# Altium PCB Control.PcbDoc (continued)
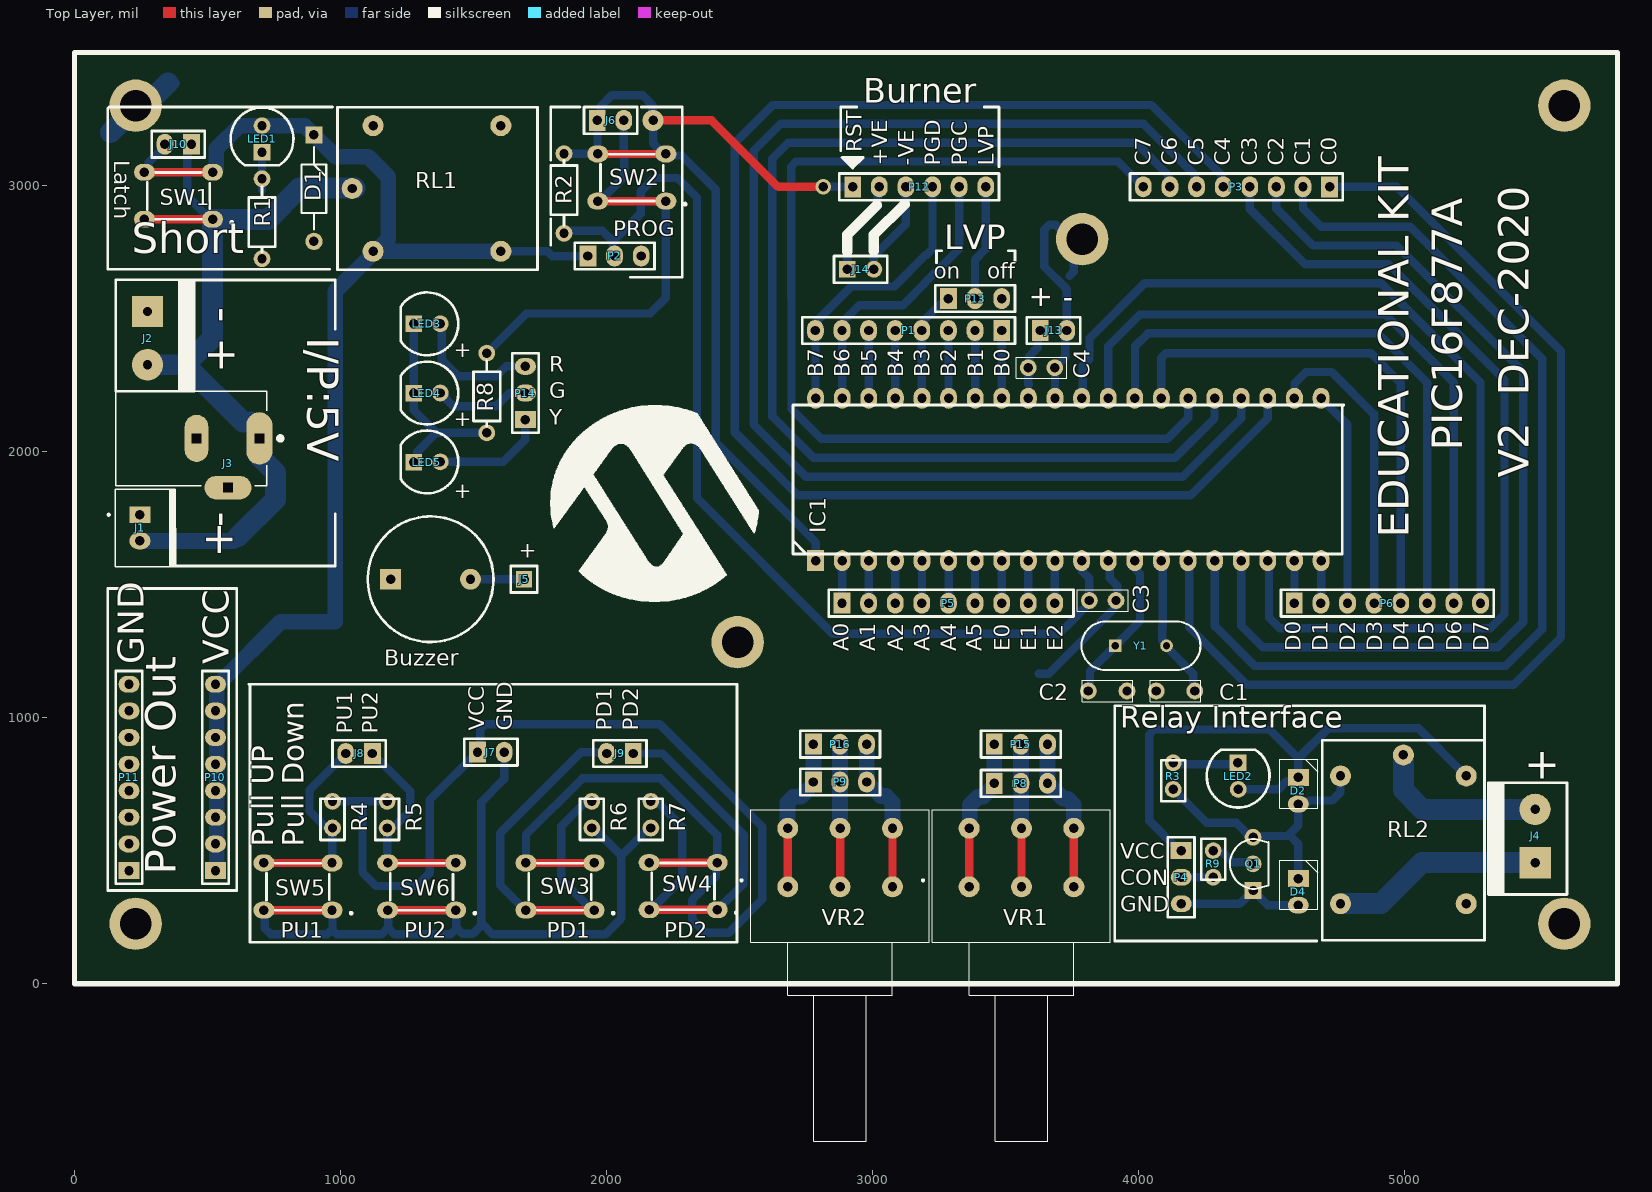
[diagram p0: Top Layer view]
## Part data (continued)
P1 P3 P6 P10 P11: library part Terminal_Block_8Pos, "Male Header, Pitch 2.54 mm, 1 x 40 Position, Height 8.636 mm, Tail Length 3.05 mm, -55 to 105 degC, RoHS, Bulk", Case/Package=2340-6111TG, Colour=Black, Current Rating=3A, Manufacturer=3M, Max Operating Temperature=105°C, Min Operating Temperature=-55°C, Package Description="Male Header, Pitch 2.54 mm, 1 x 40 Position, Height 8.636 mm, Tail Length 3.05 mm", Package Quantity=200, Connector Type=Header, Contact Finish=Gold, Contact Material=Copper, Contact Plating=Gold, Datasheet URL=https://datasheet.ciiva.com/5161/ts0766-242217-5161112.pdf, Datasheet Version=Aug-08, Gender=Male, Lead Pitch=0.1inch, Manufacturer URL=http://www.3m.com/, Max Current Rating=3A, Mounting Technology=TH, Package Reference=2340-6111TG, Packaging=Bulk, Pins=40, RoHS Compliant=True, Rows=1
P2 P4 P8 P9 P13 P14 P15 P16: library part Terminal_Block_3Pos, "Male Header, Pitch 2.54 mm, 1 x 40 Position, Height 8.636 mm, Tail Length 3.05 mm, -55 to 105 degC, RoHS, Bulk", Case/Package=2340-6111TG, Colour=Black, Current Rating=3A, Manufacturer=3M, Max Operating Temperature=105°C, Min Operating Temperature=-55°C, Package Description="Male Header, Pitch 2.54 mm, 1 x 40 Position, Height 8.636 mm, Tail Length 3.05 mm", Package Quantity=200, Connector Type=Header, Contact Finish=Gold, Contact Material=Copper, Contact Plating=Gold, Datasheet URL=https://datasheet.ciiva.com/5161/ts0766-242217-5161112.pdf, Datasheet Version=Aug-08, Gender=Male, Lead Pitch=0.1inch, Manufacturer URL=http://www.3m.com/, Max Current Rating=3A, Mounting Technology=TH, Package Reference=2340-6111TG, Packaging=Bulk, Pins=40, RoHS Compliant=True, Rows=1
P5: library part Terminal_Block_9Pos, "Male Header, Pitch 2.54 mm, 1 x 40 Position, Height 8.636 mm, Tail Length 3.05 mm, -55 to 105 degC, RoHS, Bulk", Case/Package=2340-6111TG, Colour=Black, Current Rating=3A, Manufacturer=3M, Max Operating Temperature=105°C, Min Operating Temperature=-55°C, Package Description="Male Header, Pitch 2.54 mm, 1 x 40 Position, Height 8.636 mm, Tail Length 3.05 mm", Package Quantity=200, Connector Type=Header, Contact Finish=Gold, Contact Material=Copper, Contact Plating=Gold, Datasheet URL=https://datasheet.ciiva.com/5161/ts0766-242217-5161112.pdf, Datasheet Version=Aug-08, Gender=Male, Lead Pitch=0.1inch, Manufacturer URL=http://www.3m.com/, Max Current Rating=3A, Mounting Technology=TH, Package Reference=2340-6111TG, Packaging=Bulk, Pins=40, RoHS Compliant=True, Rows=1
P12: library part Terminal_Block_6Pos, "Male Header, Pitch 2.54 mm, 1 x 40 Position, Height 8.636 mm, Tail Length 3.05 mm, -55 to 105 degC, RoHS, Bulk", Case/Package=2340-6111TG, Colour=Black, Current Rating=3A, Manufacturer=3M, Max Operating Temperature=105°C, Min Operating Temperature=-55°C, Package Description="Male Header, Pitch 2.54 mm, 1 x 40 Position, Height 8.636 mm, Tail Length 3.05 mm", Package Quantity=200, Connector Type=Header, Contact Finish=Gold, Contact Material=Copper, Contact Plating=Gold, Datasheet URL=https://datasheet.ciiva.com/5161/ts0766-242217-5161112.pdf, Datasheet Version=Aug-08, Gender=Male, Lead Pitch=0.1inch, Manufacturer URL=http://www.3m.com/, Max Current Rating=3A, Mounting Technology=TH, Package Reference=2340-6111TG, Packaging=Bulk, Pins=40, RoHS Compliant=True, Rows=1
Q1: library part CMP-013-00009-2, "NPN General-Purpose Amplifier, 40 V, -55 to 150 degC, 3-Pin TO-92, RoHS, Bulk", Case/Package=TO-226-3, Frequency=300MHz, Manufacturer=Fairchild, Max Operating Temperature=150°C, Min Operating Temperature=-55°C, Package Description="3-Pin Transistor Outline Package, Body Dia 4.79 mm, Pitch 1.27 mm", Package Quantity=1000, Package Reference=TO-92, Power=625mW, Datasheet URL=https://www.fairchildsemi.com/datasheets/PN/PN2222A.pdf, Datasheet Version="Rev. 1.1.0, 07/2014", Elements=1, hFE Min=100, Mounting Technology=TH, Packaging=Bulk, Pins=3, RoHS Compliant=True, Vce Max=1V
R1 R2 R3 R4 R5 R6 R7 R8 R9: library part Resistors_Single, "Resistors", Case/Package=Axial, Manufacturer=Yageo, Manufacturer Part Number=CFR-25JB-52-100K, Max Operating Temperature=155°C, Max Power Dissipation=250mW, Min Operating Temperature=-55°C, Package Quantity=200, Resistance=100kR, Resistor Type="Carbon Film", Supplier Part Number 1=100KQBK-ND, Temperature Coefficient=-700ppm/°C, Tolerance=5%, Category="Through-Hole Resistors", ComponentLink1Description=http://www.yageo.com/NewPortal/yageodocoutput?fileName=/pdf/throughhole/Yageo_LR_CFR_2013.pdf&src-supplier=Digi-Key, ComponentLink1URL=http://www.yageo.com/NewPortal/yageodocoutput?fileName=/pdf/throughhole/Yageo_LR_CFR_2013.pdf&src-supplier=Digi-Key, ComponentLink2Description=http://www.yageo.com/documents/recent/General%20Type_CFR.pdf?src-supplier=Future+Electronics, ComponentLink2URL=http://www.yageo.com/documents/recent/General%20Type_CFR.pdf?src-supplier=Future+Electronics, Lead Free="Lead Free", Length=0.248inch, Number of Terminations=2, Packaging=Bulk, Power Rating=250mW, Pricing 1="1=0.10000, 25=0.04640, 50=0.03600, 100=0.02580, 250=0.02008, 500=0.01596, 750=0.01365, 1000=0.01133, 2000=0.00979 (USD)", RoHS=Yes, Stock 1=105911, Supplier 1=Digi-Key
RL1 RL2: library part Relay_SPDT, "Relay SPDT", Coil Voltage (DC)=5V, Contact Current Rating=15A, Manufacturer="TE Connectivity P&B", Manufacturer Part Number=1-1721150-0, Max Operating Temperature=85°C, Supplier Part Number 1=PB2032-ND, Voltage Rating (AC)=125V, Category="Signal Relays", ComponentLink1Description=https://datasheet.ciiva.com/14189/eng-cd-1721150-c-14189465.pdf?src-supplier=Avnet, ComponentLink1URL=https://datasheet.ciiva.com/14189/eng-cd-1721150-c-14189465.pdf?src-supplier=Avnet, ComponentLink2Description=https://datasheet.ciiva.com/48542/eng-cd-1721150-c-48542490.pdf?src-supplier=Onlinecomponents.com, ComponentLink2URL=https://datasheet.ciiva.com/48542/eng-cd-1721150-c-48542490.pdf?src-supplier=Onlinecomponents.com, Depth=15.5mm, ELV=Compliant, Height=15.8mm, Lead Free="Lead Free", Length=19mm, Mount="Through Hole", Number of Pins=5, Packaging=Rail/Tube, Pricing 1="1=1.30000, 10=1.21500, 25=1.08000, 50=1.02600, 100=0.97200, 250=0.86400, 500=0.81000, 1000=0.75600, 5000=0.72900 (USD)", RoHS=Yes, Stock 1=4183, Supplier 1=Digi-Key, Termination=PCB, Throw Configuration=SPDT, Weight=9.5g, Width=15.5mm
SW1 SW2 SW3 SW4 SW5 SW6: library part Switches_2Pos, "Switches", Color=Black, Contact Current Rating=50mA, Contact Resistance=100mR, Manufacturer=E-Switch, Manufacturer Part Number=TL1105LF160Q, Max Operating Temperature=70°C, Max Voltage Rating (DC)=50V, Min Operating Temperature=-20°C, Operating Force=160gf, Package Quantity=750, Supplier Part Number 1=EG2505-ND, Voltage Rating (DC)=12V, Actuator Length=13.4mm, Actuator Material=Nylon,Polyamide, Actuator Type=Standard, Category="Tactile Switches", ComponentLink1Description=https://datasheet.ciiva.com/16156/p010009-16156269.pdf?src-supplier=Onlinecomponents.com, ComponentLink1URL=https://datasheet.ciiva.com/16156/p010009-16156269.pdf?src-supplier=Onlinecomponents.com, ComponentLink2Description=https://datasheet.ciiva.com/2900/tl1105-2900888.pdf?src-supplier=Digi-Key, ComponentLink2URL=https://datasheet.ciiva.com/2900/tl1105-2900888.pdf?src-supplier=Digi-Key, Contact Material=Silver,Bronze, Contact Plating=Silver, Current Rating=50mA, Electrical Life=100000Cycles, Housing Material=Nylon, Illumination Type=Non-Illuminated, Lead Free="Lead Free", Mechanical Life=100000Cycles, Mount="Through Hole", Orientation=Straight, Packaging=Bulk, Pricing 1="1=0.29000, 10=0.27800, 25=0.26400, 100=0.23900, 250=0.21792, 500=0.20256, 1000=0.17280, 2500=0.16800, 5000=0.15840 (USD)", RoHS=Yes, Stock 1=17577, Supplier 1=Digi-Key, Switch Function=Off-Mom, Switch Travel=0.25mm, Termination="PC Pin", Throw Configuration=SPST, Width=6mm
VR1 VR2: library part VariableResistors, "Variable Resistors", Manufacturer=Bourns, Manufacturer Part Number=3296W-1-502RLF, Max Operating Temperature=125°C, Max Power Dissipation=500mW, Min Operating Temperature=-55°C, Package Quantity=1000, Resistance=5kR, Resistor Type=Cermet, Supplier Part Number 1=3296W-1-502RLFCT-ND, Temperature Coefficient=100ppm/°C, Tolerance=10%, Category="Variable Resistors and Potentiometers", ComponentLink1Description=https://datasheet.ciiva.com/8088/3296-8088713.pdf?src-supplier=Avnet, ComponentLink1URL=https://datasheet.ciiva.com/8088/3296-8088713.pdf?src-supplier=Avnet, ComponentLink2Description=https://datasheet.ciiva.com/16807/3296-16807737.pdf?src-supplier=Avnet+Europe, ComponentLink2URL=https://datasheet.ciiva.com/16807/3296-16807737.pdf?src-supplier=Avnet+Europe, ComponentLink3Description=https://datasheet.ciiva.com/2162/3296-2162778.pdf?src-supplier=Digi-Key, ComponentLink3URL=https://datasheet.ciiva.com/2162/3296-2162778.pdf?src-supplier=Digi-Key, Depth=4.83mm, Height=0.395inch, Length=9.53mm, Military Standard=Not, Mount="Through Hole", Number of Turns=25, Packaging="Tape and Reel", Power Rating=500mW, Pricing 1="1=3.74000, 10=3.27600, 25=2.92520, 50=2.74960, 100=2.69100, 250=2.57400, 500=2.10600 (USD)", Radiation Hardening=No, RoHS=Yes, Stock 1=1194, Supplier 1=Digi-Key, Taper=Linear, Termination=Pin, Weight=0.03oz, Width=4.83mm
Y1: library part CMP-003-00026-1, "Resistance Weld Thru-Hole Crystal, 12 MHz, +/-30 ppm, 20 pF, -20 to 70 degC, 2-Pin THD, RoHS, Bulk", Case/Package=FOXSLF-2, Frequency=12MHz, Frequency Tolerance=30ppm, Load Capacitance=20pF, Manufacturer="FOX Electronics", Max Operating Temperature=70°C, Min Operating Temperature=-20°C, Package Description="2-Pin Through Hole Device, Body 11.35 x 4.65 mm, Pitch 4.88 mm", Package Quantity=100, Resistance=60Ohm, Tolerance=50ppm, Datasheet URL=http://www.foxonline.com/pdfs/hc49slf.pdf, Datasheet Version=Mar-15, ESR=60, Manufacturer URL=http://www.foxonline.com/, Mounting Technology=TH, Package Reference=FOXSLF-2, Packaging=Bulk, Pins=2, RoHS Compliant=True

## Free pads (board coordinates)
  round 196.85 hole 118.11: 4(230,225) 4(230,3300) 4(2492.52,1283.55) 4(3787.52,2798.55) 4(5600,225) 4(5600,3300)

## Via types
v1: diameter 78.74, hole 35.43, Top Layer to Bottom Layer, 1 vias
v2: diameter 59.05, hole 35.43, Top Layer to Bottom Layer, 1 vias

## Nets (pads, with @x,y where several pads share a name; then routed paths per layer and width w, separated by ;. In a path a pad name is that pad's centre, name@x,y a point inside that pad or via, vN(x,y) a via of type N, cw(c..) or ccw(c..) an arc to the next point about the centre after c; other vN are vias at no path point)
+VE: J7.1 R4.2 R5.2 SW3.2 SW4.2 | length 5095.8
  Top Layer w31.5: SW3.2@1697.05,453.58 SW3.2@1952.95,453.58 ; SW4.2@2160,455 SW4.2@2415.91,455
  Bottom Layer w31.5: R4.2 1072.5,685 ; R5.2 1072.5,685 ; SW3.2@1697.05,453.58 1697.05,559.76 1908.9,771.61 2202.73,771.61 2415.91,558.44 2415.91,455 2411.19,450.28 2411.19,403.48 2372.16,364.45 2321.42,313.71 2321.42,241.96 2372.15,191.22 2459.66,191.22 2585.87,317.43 2585.87,589.13 2200,975 1544.36,975 1525.91,956.55 1525.91,880.91 1335,690 1335,415 1286.97,366.97 1133.3,366.97 1082.56,417.71 1082.56,674.94 1072.5,685
-VE: J7.2 R6.1 R7.1 SW5.1 SW6.1 | length 3468.7
  Top Layer w31.5: SW5.1@712.05,276.42 SW5.1@967.95,276.42 ; SW6.1@1177.05,276.42 SW6.1@1432.95,276.42
  Bottom Layer w31.5: SW5.1@715.93,277.53 715.93,207.69 738.42,185.2 949.97,185.2 968.42,203.65 986.87,185.2 1153.42,185.2 1178.42,210.2 1203.42,185.2 1413.42,185.2 1433.42,205.2 ; SW5.1@967.95,276.42 967.95,263.92 970,261.87 970,208.45 ; SW6.1@1177.05,276.42 1180,273.46 1180,215 ; SW6.1@1432.95,276.42 1435,274.37 1435,210 1457.93,187.07 1497.07,187.07 1533.58,223.58 1571.96,185.2 1656.52,185.2 ; 1529.29,219.29 1529.29,682.79 1615,768.5 J7.2 ; 1651.52,185.2 1651.72,185 1995.13,185 2053.42,243.3 ; R6.1 1951.9,585 2051.54,485.36 ; 2055,248.1 2055,481.9 2051.54,485.36 ; R7.1 2159.64,585 2060,485.36 2051.54,485.36
GND: Buzzer.2 C1.1 C2.1 C3.1 C4.2 D1.2 IC1.12 IC1.31 J1.2 J2.2 J3.2 J6.2 J13.2 J14.2 P11.1 P11.2 P11.3 P11.4 P11.5 P11.6 P11.7 P11.8 P12.3 pad.4@230,3300 pad.4@2492.52,1283.55 pad.4@3787.52,2798.55 R1.1 R8.2 RL1.2 SW2.1 | length 3970.3
  Top Layer w31.5: SW2.1@1967.05,2941.42 SW2.1@2222.95,2941.42
  Bottom Layer w31.5: pad.4@230,3295 230,3300 pad.4@266.01,3300 ; 351.01,3385 380,3385 ; R8.2 1698.64,2518.64 2163.64,2518.64 2222.95,2577.95 SW2.1@2222.95,2941.42 ; SW2.1@1967.05,2941.42 1974.92,2941.42 2066.95,3033.45 2066.95,3103.05 2065,3105 J6.2 ; J14.2@3005,2691.22 3005,2735 3125,2855 P12.3 ; 3625,1165 3662.49,1165 3908.97,1411.48 3908.97,1433.97 C3.1 3920,1445 3920,1495 3891.66,1523.34 3891.66,1583.89 IC1.12 ; IC1.31 3685.64,2281.47 ; C4.2@3686.28,2318.44 3723.97,2356.14 3723.97,2448.97 J13.2 3730,2609.87 3645,2694.87 3645,2833.33 3663.45,2851.78 3689.54,2851.78 3742.77,2798.55 3787.52,2798.55 3755.88,2766.91 3755.88,2675.88 3740,2660
  Bottom Layer w78.74: 135,3200 pad.4@230,3295 ; pad.4@266.01,3300 351.01,3385
LVP: P12.6 P13.2 | length 436.6
  Bottom Layer w31.5: P13.2 3385,2721 3425,2761 P12.6
MCLR: IC1.1 J6.1 P12.1 R2.1 SW2.2 | length 3652.3
  Top Layer w31.5: SW2.2@1967.05,3118.58 SW2.2@2222.95,3118.58 ; v1(2175,3245) 2395,3245 2645,2995 v2(2815,2995)
  Bottom Layer w31.5: R2.1 1840.71,3119.29 SW2.2@1966.34,3119.29 ; SW2.2@1967.05,3118.58 SW2.2@1966.34,3119.29 ; IC1.1 2786.91,1591.2 2786.91,1658.09 2410.91,2034.09 2410.91,2984.05 2282.4,3112.56 2228.98,3112.56 2222.95,3118.58 2215.08,3118.58 2175,3158.66 v1(2175,3245) 2171.46,3248.54 2171.46,3303.54 2135.51,3339.49 2019.49,3339.49 1978.39,3298.39 1978.39,3258.39 J6.1 1966.02,3243.98 1966.02,3119.61 SW2.2@1966.34,3119.29 ; v2(2815,2995) P12.1
NetBuzzer_1: Buzzer.1 J5.1 | length 211.3
  Bottom Layer w31.5: Buzzer.1 J5.1 J5.1@1700,1520
NetD2_1: D2.1 LED2.1 P4.1 RL2.2 | length 2160.9
  Bottom Layer w31.5: P4.1 4152.13,500 4040,612.13 4040,936.55 4058.45,955 4492.13,955 4592.13,855 4600,847.13 ; LED2.1@4385.3,730 4524.64,730 4556.25,761.61 4586.61,761.61 D2.1 4600,847.13 ; RL2.2 5052.01,960 4712.87,960 4600,847.13
NetD2_2: D2.2 D4.1 Q1.3 R3.1 RL2.3 | length 1066.4
  Bottom Layer w31.5: R3.1@4128.47,731.53 4255,605 4366.48,605 4421.48,550 Q1.3 4435,555 4570,555 4600,525 D4.1 ; 4560,555 4600,595 D2.2 4606.03,681.03 4634.71,681.03 4642.07,688.39 4727.8,688.39 4758.78,719.37 RL2.3
NetD4_2: D4.2 P4.3 Q1.1 | length 438.5
  Bottom Layer w31.5: 4205,300 4380,300 Q1.1 4485,295 D4.2
NetJ4_1: J4.1 RL2.1 | length 657.2
  Bottom Layer w78.74: RL2.1 4995,730 4995,727.26 5067.26,655 J4.1
NetJ4_2: J4.2 RL2.5 | length 808
  Bottom Layer w31.5: RL2.5@4749.74,309.51 RL2.5
  Bottom Layer w78.74: RL2.5 4910.47,300.47 5065,455 J4.2
NetLED1_2: LED1.2 R1.2 | length 142.1
  Bottom Layer w31.5: 705,2982.86 LED1.2
NetLED2_2: LED2.2 R3.2 | length 238.7
  Bottom Layer w31.5: R3.2 4135,825 LED2.2@4366.64,825
NetLED3_1: LED3.1 P14.3 | length 492.8
  Bottom Layer w31.5: LED3.1 1381.03,2473.97 1381.03,2343.97 1441.61,2283.39 1585.88,2283.39 1622.49,2320 P14.3
NetLED3_2: LED3.2 LED4.2 LED5.2 R8.1 | length 780.6
  Bottom Layer w31.5: LED5.2 1288.39,1973.39 1288.39,1998.39 1360.75,2070.75 ; LED3.2 LED4.2 1275,2156.51 1361.51,2070 R8.1
NetLED4_1: LED4.1 P14.2 | length 361.4
  Bottom Layer w31.5: LED4.1 1425,2170 1585,2170 1635,2220 P14.2
NetLED5_1: LED5.1 P14.1 | length 429.8
  Bottom Layer w31.5: LED5.1 1611,1961 1695,2045 P14.1
NetP4_2: P4.2 R9.2 | length 120
  Bottom Layer w31.5: P4.2 R9.2
NetP8_1: P8.1 P15.1 VR1.1 | length 575.6
  Top Layer w31.5: VR1.1@3362.81,363.82 VR1.1@3362.81,583.82
  Bottom Layer w59.06: VR1.1@3362.81,583.82 3365.43,586.44 3365.43,670.43 3397.26,702.26 3414.68,702.26 3457.5,745.08 P8.1 P15.1@3457.5,890
NetP8_2: P8.2 P15.2 VR1.2 | length 527.1
  Top Layer w31.5: VR1.2@3559.67,363.82 VR1.2@3559.67,583.82
  Bottom Layer w59.06: P15.2@3557.5,890 P8.2 3558.58,751.87 3558.58,584.9 VR1.2@3559.67,583.82
NetP8_3: P8.3 P15.3 VR1.3 | length 577.5
  Top Layer w31.5: VR1.3@3756.52,363.82 VR1.3@3756.52,583.82
  Bottom Layer w59.06: P15.3@3657.5,890 P8.3 3658.15,752.95 3716.59,694.51 3733.56,694.51 3756.52,671.55 VR1.3@3756.52,583.82
NetP9_1: P9.1 P16.1 VR2.1 | length 593
  Top Layer w31.5: VR2.1@2680.96,363.82 VR2.1@2680.96,583.82
  Bottom Layer w59.06: VR2.1@2680.96,583.82 2680,584.78 2680,680 2702.27,702.27 2729.69,702.27 2777.5,750.08 P9.1 P16.1
NetP9_2: P9.2 P16.2 VR2.2 | length 536.3
  Top Layer w31.5: VR2.2@2877.82,363.82 VR2.2@2877.82,583.82
  Bottom Layer w59.06: P16.2 P9.2 2877.66,757.8 2877.66,583.98 VR2.2@2877.82,583.82
NetP9_3: P9.3 P16.3 VR2.3 | length 596.3
  Top Layer w31.5: VR2.3@3074.67,363.82 3074.67,583.82 3074.67,584.67 VR2.3@3080,590
  Bottom Layer w59.06: P16.3 P9.3 2978.15,757.95 3031.1,705 3050,705 3074.67,680.33 VR2.3@3074.67,583.82
NetQ1_2: Q1.2 R9.1 | length 179.2
  Bottom Layer w31.5: R9.1 4286.03,493.97 4314.51,493.97 4352.46,456.03 4423.97,456.03 Q1.2 Q1.2@4423.97,443.97
PD1: J9.1 R7.2 SW4.1 | length 1647.2
  Top Layer w31.5: SW4.1@2160,277.83 SW4.1@2415.91,277.83
  Bottom Layer w31.5: J9.1 2209.78,865 2515,559.78 2515,420.22 2514.13,419.35 2514.13,374.13 2417.83,277.83 SW4.1@2415.91,277.83 ; SW4.1@2160,277.83 2167.87,277.83 2285,394.96 2285,589.12 2195.15,678.97 2172.66,678.97 R7.2
PD2: J9.2 R6.2 SW3.1 | length 1636.7
  Top Layer w31.5: SW3.1@1697.05,276.42 SW3.1@1952.95,276.42
  Bottom Layer w31.5: SW3.1@1694.17,276.42 1600.15,370.44 1600.15,565.15 1905,870 1995,870 J9.2 ; R6.2 1938.97,678.97 1918.16,678.97 1910.8,671.61 1909.12,671.61 1830,592.49 1830,391.5 1945.08,276.42 SW3.1@1952.95,276.42
PIC_VDD: C3.2 C4.1 IC1.11 IC1.32 J13.1 J14.1 P2.2 P12.2 R2.2 | length 4377.5
  Bottom Layer w31.5: R2.2@1846.03,2813.97 R2.2 1848.52,2820 1858.01,2829.49 1984.33,2829.49 2023.97,2789.84 ; P2.2 2023.97,2741.03 2023.97,2789.84 ; J14.1@2905,2689.66 2905,2815 3018.97,2928.97 3018.97,2988.97 P12.2 ; C4.1@3585.64,2314.36 3584.83,2315.17 3589.18,2319.52 3589.18,2359.18 3620.16,2390.16 3620.16,2445.16 J13.1 ; C4.1@3585.64,2315 3585.64,2252.6 3586.28,2251.97 ; IC1.11@3786.28,1589.92 3786.28,1551.37 3815,1522.64 C3.2 3815,1431.48 3786.28,1402.75 3771.61,1388.09 3771.61,1386.25 3720.88,1335.51 3719.04,1335.51 3698.52,1315 2850,1315 2340,1825 2340,2954.73 2266.7,3028.03 2179.2,3028.03 2128.46,2977.29 2128.46,2894.33 2023.97,2789.84
PU1: J8.1 R5.1 SW6.2 | length 775.9
  Top Layer w31.5: SW6.2@1177.05,453.58 SW6.2@1432.95,453.58
  Bottom Layer w31.5: J8.1 1261.61,723.39 1261.61,649.12 1203.52,591.03 1181.03,591.03 R5.1 1176.02,583.98 1176.02,454.61 SW6.2@1177.05,453.58
PU2: J8.2 R4.1 SW5.2 | length 772.4
  Top Layer w31.5: SW5.2@712.05,453.58 SW5.2@967.95,453.58
  Bottom Layer w31.5: SW5.2@968.98,454.61 968.98,583.98 R4.1 963.97,591.03 941.48,591.03 883.39,649.12 883.39,728.39 J8.2
RA0: IC1.2 P5.1 | length 159.9
  Bottom Layer w31.5: P5.1@2885.64,1430 IC1.2
RA1: IC1.3 P5.2 | length 159.9
  Bottom Layer w31.5: P5.2@2985.64,1430 IC1.3
RA2: IC1.4 P5.3 | length 159.9
  Bottom Layer w31.5: P5.3@3085.64,1430 IC1.4
RA3: IC1.5 P5.4 | length 159.9
  Bottom Layer w31.5: P5.4@3185.64,1430 IC1.5
RA4: IC1.6 P5.5 | length 159.9
  Bottom Layer w31.5: P5.5@3285.64,1430 IC1.6
RA5: IC1.7 P5.6 | length 159.9
  Bottom Layer w31.5: P5.6 IC1.7@3385,1589.92
RB0: IC1.33 P1.1 | length 255.3
  Bottom Layer w31.5: P1.1 3485.32,2454.68 3485.32,2200.32 IC1.33
RB1: IC1.34 P1.2 | length 255.3
  Bottom Layer w31.5: P1.2 3385.32,2454.68 3385.32,2200.32 IC1.34
RB2: IC1.35 P1.3 | length 255.3
  Bottom Layer w31.5: P1.3 3285.32,2454.68 3285.32,2200.32 IC1.35
RB3: IC1.36 P1.4 P13.1 | length 427.4
  Bottom Layer w31.5: IC1.36 3185.32,2200.32 3185.32,2454.68 P1.4 3191.03,2461.03 3191.03,2491.39 3251.01,2551.38 3269.25,2551.38 3285,2567.13 P13.1
RB4: IC1.37 P1.5 | length 255.3
  Bottom Layer w31.5: P1.5 3085.32,2454.68 3085.32,2200.32 IC1.37
RB5: IC1.38 P1.6 | length 255.3
  Bottom Layer w31.5: P1.6 2985.32,2454.68 2985.32,2200.32 IC1.38
RB6: IC1.39 P1.7 P12.5 | length 1075.2
  Bottom Layer w31.5: IC1.39 2885.32,2200.32 2885.32,2454.68 P1.7 2891.03,2461.03 2891.03,2491.39 2949.12,2549.49 3113.27,2549.49 3198.39,2634.61 3198.39,2637.2 3230.67,2669.49 3233.27,2669.49 3325,2761.22 P12.5
RB7: IC1.40 P1.8 P12.4 | length 1073.7
  Bottom Layer w31.5: IC1.40 2785.32,2200.32 2785.32,2454.68 P1.8 2791.03,2461.03 2791.03,2491.61 2919.77,2620.35 3081.32,2620.35 3201.32,2740.35 3203.91,2740.35 3225,2761.44 P12.4
RC0: IC1.15 P3.1 | length 4013.4
  Bottom Layer w31.5: IC1.15@4190,1589.92 4190,1340 4407.09,1122.91 5408.94,1122.91 5587.6,1301.57 5587.6,2378.06 4970.66,2995 P3.1
RC1: IC1.16 P3.2 | length 3828.1
  Bottom Layer w31.5: IC1.16@4286.28,1589.92 4286.28,1343.94 4436.44,1193.78 5379.58,1193.78 5516.73,1330.93 5516.73,2348.71 5020.24,2845.2 4685.24,2845.2 4617.69,2912.75 P3.2
RC2: IC1.17 P3.3 | length 3581
  Bottom Layer w31.5: IC1.17@4386.28,1589.92 4386.28,1344.16 4465.79,1264.65 5350.23,1264.65 5445.87,1360.28 5445.87,2298.4 4969.94,2774.33 4655.89,2774.33 4517.69,2912.53 P3.3
RC3: IC1.18 P3.4 | length 3325.7
  Bottom Layer w31.5: P3.4 4417.69,2912.31 4626.54,2703.46 4940.59,2703.46 5375,2269.05 5375,1389.64 5320.88,1335.51 4530.67,1335.51 4490,1376.18 4490,1585.56 IC1.18
RC4: IC1.23 P3.5 | length 5429.4
  Bottom Layer w31.5: P3.5 4311.67,3001.03 4311.67,3038.77 4047.84,3302.6 2624.76,3302.6 2481.77,3159.61 2481.77,2072.57 2719.34,1835 4195.66,1835 4485,2124.34 4485,2198.72 IC1.23@4486.28,2200
RC5: IC1.24 P3.6 | length 4935.6
  Bottom Layer w31.5: P3.6 4211.67,3001.03 4211.67,3038.55 4018.49,3231.73 2654.11,3231.73 2552.64,3130.26 2552.64,2101.92 2748.69,1905.87 4166.31,1905.87 4385,2124.56 4385,2198.72 IC1.24@4386.28,2200
RC6: IC1.25 P3.7 | length 4441.5
  Bottom Layer w31.5: P3.7 4111.67,3001.03 4111.67,3038.33 3989.13,3160.87 2683.47,3160.87 2623.5,3100.9 2623.5,2131.28 2778.05,1976.73 4136.95,1976.73 4285,2124.78 4285,2199.36 IC1.25
RC7: IC1.26 P3.8 | length 3926.5
  Bottom Layer w31.5: P3.8 3922.69,3090 2712.82,3090 2694.37,3071.55 2694.37,2578.63 2695,2578 2695,2160 2807.4,2047.6 4107.6,2047.6 4186.28,2126.28 4186.28,2199.36 IC1.26
RD0: IC1.19 P6.1 | length 159.9
  Bottom Layer w31.5: P6.1@4585.64,1430 IC1.19
RD1: IC1.20 P6.2 | length 159.9
  Bottom Layer w31.5: P6.2@4685.64,1430 IC1.20
RD2: IC1.21 P6.3 | length 811.2
  Bottom Layer w31.5: IC1.21 4785,2100.64 P6.3
RD3: IC1.22 P6.4 | length 1148.9
  Bottom Layer w31.5: IC1.22 4585.94,2200.3 4585.94,2255.94 4629.13,2299.13 4725.87,2299.13 4885,2140 P6.4
RD4: IC1.27 P6.5 | length 1933.7
  Bottom Layer w31.5: IC1.27@4085,2200 4085,2351.55 4103.45,2370 4873.17,2370 4985,2258.17 P6.5
RD5: IC1.28 P6.6 | length 2219.9
  Bottom Layer w31.5: IC1.28@3986.28,2200 3986.28,2395.84 4034.57,2444.13 4899.26,2444.13 5085,2258.39 P6.6
RD6: IC1.29 P6.7 | length 2478.9
  Bottom Layer w31.5: IC1.29@3886.28,2200 3886.28,2396.06 4005.22,2515 4928.61,2515 5185,2258.61 P6.7
RD7: IC1.30 P6.8 | length 2776.8
  Bottom Layer w31.5: IC1.30 3790,2204.36 3790,2321.94 3815.41,2347.35 3815.41,2425.41 4022.6,2632.6 4911.23,2632.6 5285,2258.83 P6.8
RE0: IC1.8 P5.7 | length 159.9
  Bottom Layer w31.5: P5.7 IC1.8@3485,1589.92
RE1: IC1.9 P5.8 | length 159.9
  Bottom Layer w31.5: P5.8 IC1.9@3585,1589.92
RE2: IC1.10 P5.9 | length 159.9
  Bottom Layer w31.5: P5.9 IC1.10@3685,1589.92
VCC_5V: J1.1 J2.1 J3.1 J10.1 RL1.1 SW1.1 | length 3123.1
  Top Layer w31.5: SW1.1@263.07,2872.92 SW1.1@518.98,2872.92
  Bottom Layer w31.5: J10.1 426.61,3141.61 426.61,3115.05 424.49,3112.93 424.49,2959.53 511.1,2872.92 SW1.1@518.98,2872.92 ; 599.05,1664.05 615.28,1680.28
  Bottom Layer w59.06: J1.1 599.05,1664.05
  Bottom Layer w78.74: J2.1 418.07,2326.26 ; SW1.1@518.98,2853.23 518.98,2427.16 418.07,2326.26 ; SW1.1@518.98,2872.92 728.68,2872.92 845.77,2990 RL1.1@1055.47,2990 ; 615.28,1680.28 755,1820 755,1922.01 695,1982 J3.1 695,2080.43 664.09,2111.35 632.99,2111.35 418.07,2326.26
VOUT: D1.1 J10.2 LED1.1 P2.1 P10.1 P10.2 P10.3 P10.4 P10.5 P10.6 P10.7 P10.8 RL1.3 RL1.5 SW1.2 | length 5029.1
  Top Layer w31.5: SW1.2@263.07,3050.08 SW1.2@518.98,3050.08
  Bottom Layer w31.5: SW1.2@263.07,3050.08 276.97,3063.98 276.97,3084.1 340,3147.13 J10.2 ; RL1.5 1777.44,2752.56 1796.61,2733.39 1928.39,2733.39 P2.1
  Bottom Layer w59.06: SW1.2@518.98,3050.08 532.88,3063.98 532.88,3137.88 620,3225 LED1.1 ; P10.1 535,430 535,1130 P10.8 ; P10.8@545,1130 775,1360 980,1360 980,2602.24 1122.44,2744.69 RL1.3 1133.75,2752.56 1179.88,2798.68 1179.88,3032.63 1104.4,3108.11 981.89,3108.11 D1.1 865,3225 LED1.1@710,3225 ; RL1.3@1160,2752.56 RL1.5
XTAL1: C2.2 IC1.13 Y1.1 | length 578.2
  Bottom Layer w31.5: C2.2@3816.21,1100 C2.2@3822.24,1106.03 ; C2.2@3817.24,1106.03 3817.24,1174.59 Y1.1 4005,1362.35 4005,1540.19 3999.02,1546.17 3999.02,1547.85 3991.66,1555.21 3991.66,1583.89 IC1.13
XTAL2: C1.2 IC1.14 Y1.2 | length 541.2
  Bottom Layer w31.5: IC1.14@4090,1589.92 4090,1342.83 4088.71,1341.54 4088.71,1290.32 4104.77,1274.26 Y1.2 4107.79,1266.99 4107.79,1260.92 4205.18,1163.53 C1.2@4205.18,1106.03 ; C1.2@4210.18,1106.03 C1.2@4216.21,1100
pads on no net: P2.3 P13.3 RL1.4 RL2.4

## Polygon pours and split planes (outlines as drawn)
GND on Bottom Layer "GND_L02_P000" (solid, remove dead copper, pour order 0): 0,0 5800,0 5800,3500 0,3500

## Other copper
Bottom Layer:
  pour cut-out: 3811.21,1100 4211.21,1100 4211.21,1124.52 4028.5,1307.23
  pour cut-out: 3975,1650 3970,1645 3780,1645 3780,1745 3790,1755 3800,1745 4020,1745
  pour cut-out: 638.38,480.83 638.38,468.38 615,445 615,232.68 705,142.68 705,215 660,260 665,265 665,435
  pour cut-out: 835.24,756.18 644.96,493.14 663.11,475 905,475
  pour cut-out: 3740,2210 3635,2210 3625,2200 3625,2080 3775,2080

## Silkscreen, mask and mechanical layers (free items; w line width, h text height)
Top Overlay:
  drawing of 1224 lines, arcs and shapes, not listed
  text "Burner" at 2965,3281.84 h157.48
  text "RST" at 2960,3125 h59.06 r90
  text "Latch" at 150,3095 h59.06 r270
  text "+VE" at 3055,3075 h59.06 r90
  text "-VE" at 3155,3075 h59.06 r90
  text "PGD" at 3255,3075 h59.06 r90
  text "PGC" at 3355,3075 h59.06 r90
  text "LVP" at 3455,3075 h59.06 r90
  text "C7" at 4045,3075 h59.06 r90
  text "C6" at 4145,3075 h59.06 r90
  text "C5" at 4245,3075 h59.06 r90
  text "C4" at 4345,3075 h59.06 r90
  text "C3" at 4445,3075 h59.06 r90
  text "C2" at 4545,3075 h59.06 r90
  text "C1" at 4645,3075 h59.06 r90
  text "C0" at 4745,3075 h59.06 r90
  text "PROG" at 2025,2810 h59.06
  text "LVP" at 3270,2730 h157.48
  text "Short" at 215,2707.11 h196.85
  text "on" at 3230,2650 h59.06
  text "off" at 3430,2650 h59.06
  text "-" at 3755,2600 h78.74 r180
  text "+" at 3668.12,2535 h78.74 r90
  text "-" at 594.04,2485 h118.11 r90
  text "I/P:5V" at 875,2430 h118.11 r270
  text "+" at 1425,2355.16 h59.06
  text "R" at 1785,2300 h59.06
  text "+" at 603.19,2294.35 h118.11 r90
  text "B7" at 2815,2280 h59.06 r90
  text "B6" at 2915,2280 h59.06 r90
  text "B5" at 3015,2280 h59.06 r90
  text "B4" at 3115,2280 h59.06 r90
  text "B3" at 3215,2280 h59.06 r90
  text "B2" at 3315,2280 h59.06 r90
  text "B1" at 3415,2280 h59.06 r90
  text "B0" at 3515,2280 h59.06 r90
  text "G" at 1785,2200 h59.06
  text "Y" at 1785,2100 h59.06
  text "+" at 1425,2095.16 h59.06
  text "PIC16F877A" at 5254.85,2002.3 h196.85 r90
  text "V2  DEC-2020" at 5503.15,1902.28 h196.85 r90
  text "+" at 1425,1825.16 h59.06
  text "-" at 594.04,1715 h118.11 r90
  text "EDUCATIONAL KIT" at 5053.04,1675.74 h196.85 r90
  text "+" at 594.68,1600 h118.11 r90
  text "+" at 1670,1600.16 h59.06
  text "A0" at 2910,1250 h59.06 r90
  text "A1" at 3010,1250 h59.06 r90
  text "A2" at 3115,1250 h59.06 r90
  text "A3" at 3215,1250 h59.06 r90
  text "A4" at 3315,1250 h59.06 r90
  text "A5" at 3410,1250 h59.06 r90
  text "E0" at 3515,1250 h59.06 r90
  text "E1" at 3615,1250 h59.06 r90
  text "E2" at 3715,1250 h59.06 r90
  text "D0" at 4610,1250 h59.06 r90
  text "D1" at 4710,1250 h59.06 r90
  text "D2" at 4815,1250 h59.06 r90
  text "D3" at 4915,1250 h59.06 r90
  text "D4" at 5015,1250 h59.06 r90
  text "D5" at 5110,1250 h59.06 r90
  text "D6" at 5215,1250 h59.06 r90
  text "D7" at 5315,1250 h59.06 r90
  text "GND" at 260,1200 h98.43 r90
  text "VCC" at 580,1200 h98.43 r90
  text "VCC" at 1540,950 h59.06 r90
  text "GND" at 1645,950 h59.06 r90
  text "PD1" at 2020,950 h59.06 r90
  text "PD2" at 2120,950 h59.06 r90
  text "PU1" at 1045,940 h59.06 r90
  text "PU2" at 1140,940 h59.06 r90
  text "Relay Interface" at 3930,936.09 h137.79
  text "+" at 5450,770.32 h118.11
  text "Pull UP" at 773.39,515 h137.8 r90
  text "Pull Down" at 888.39,515 h137.8 r90
  text "VCC" at 3930,470 h59.06
  text "Power Out" at 417.69,410 h196.85 r90
  text "CON" at 3930,370 h59.06
  text "GND" at 3930,270 h59.06
  text "PU1" at 775,172.65 h59.06
  text "PU2" at 1240,172.65 h59.06
  text "PD1" at 1775,172.65 h59.06
  text "PD2" at 2217.11,172.65 h59.06